# Altium PCB ReconProbe.PcbDoc (part 2 of 4) (continued)
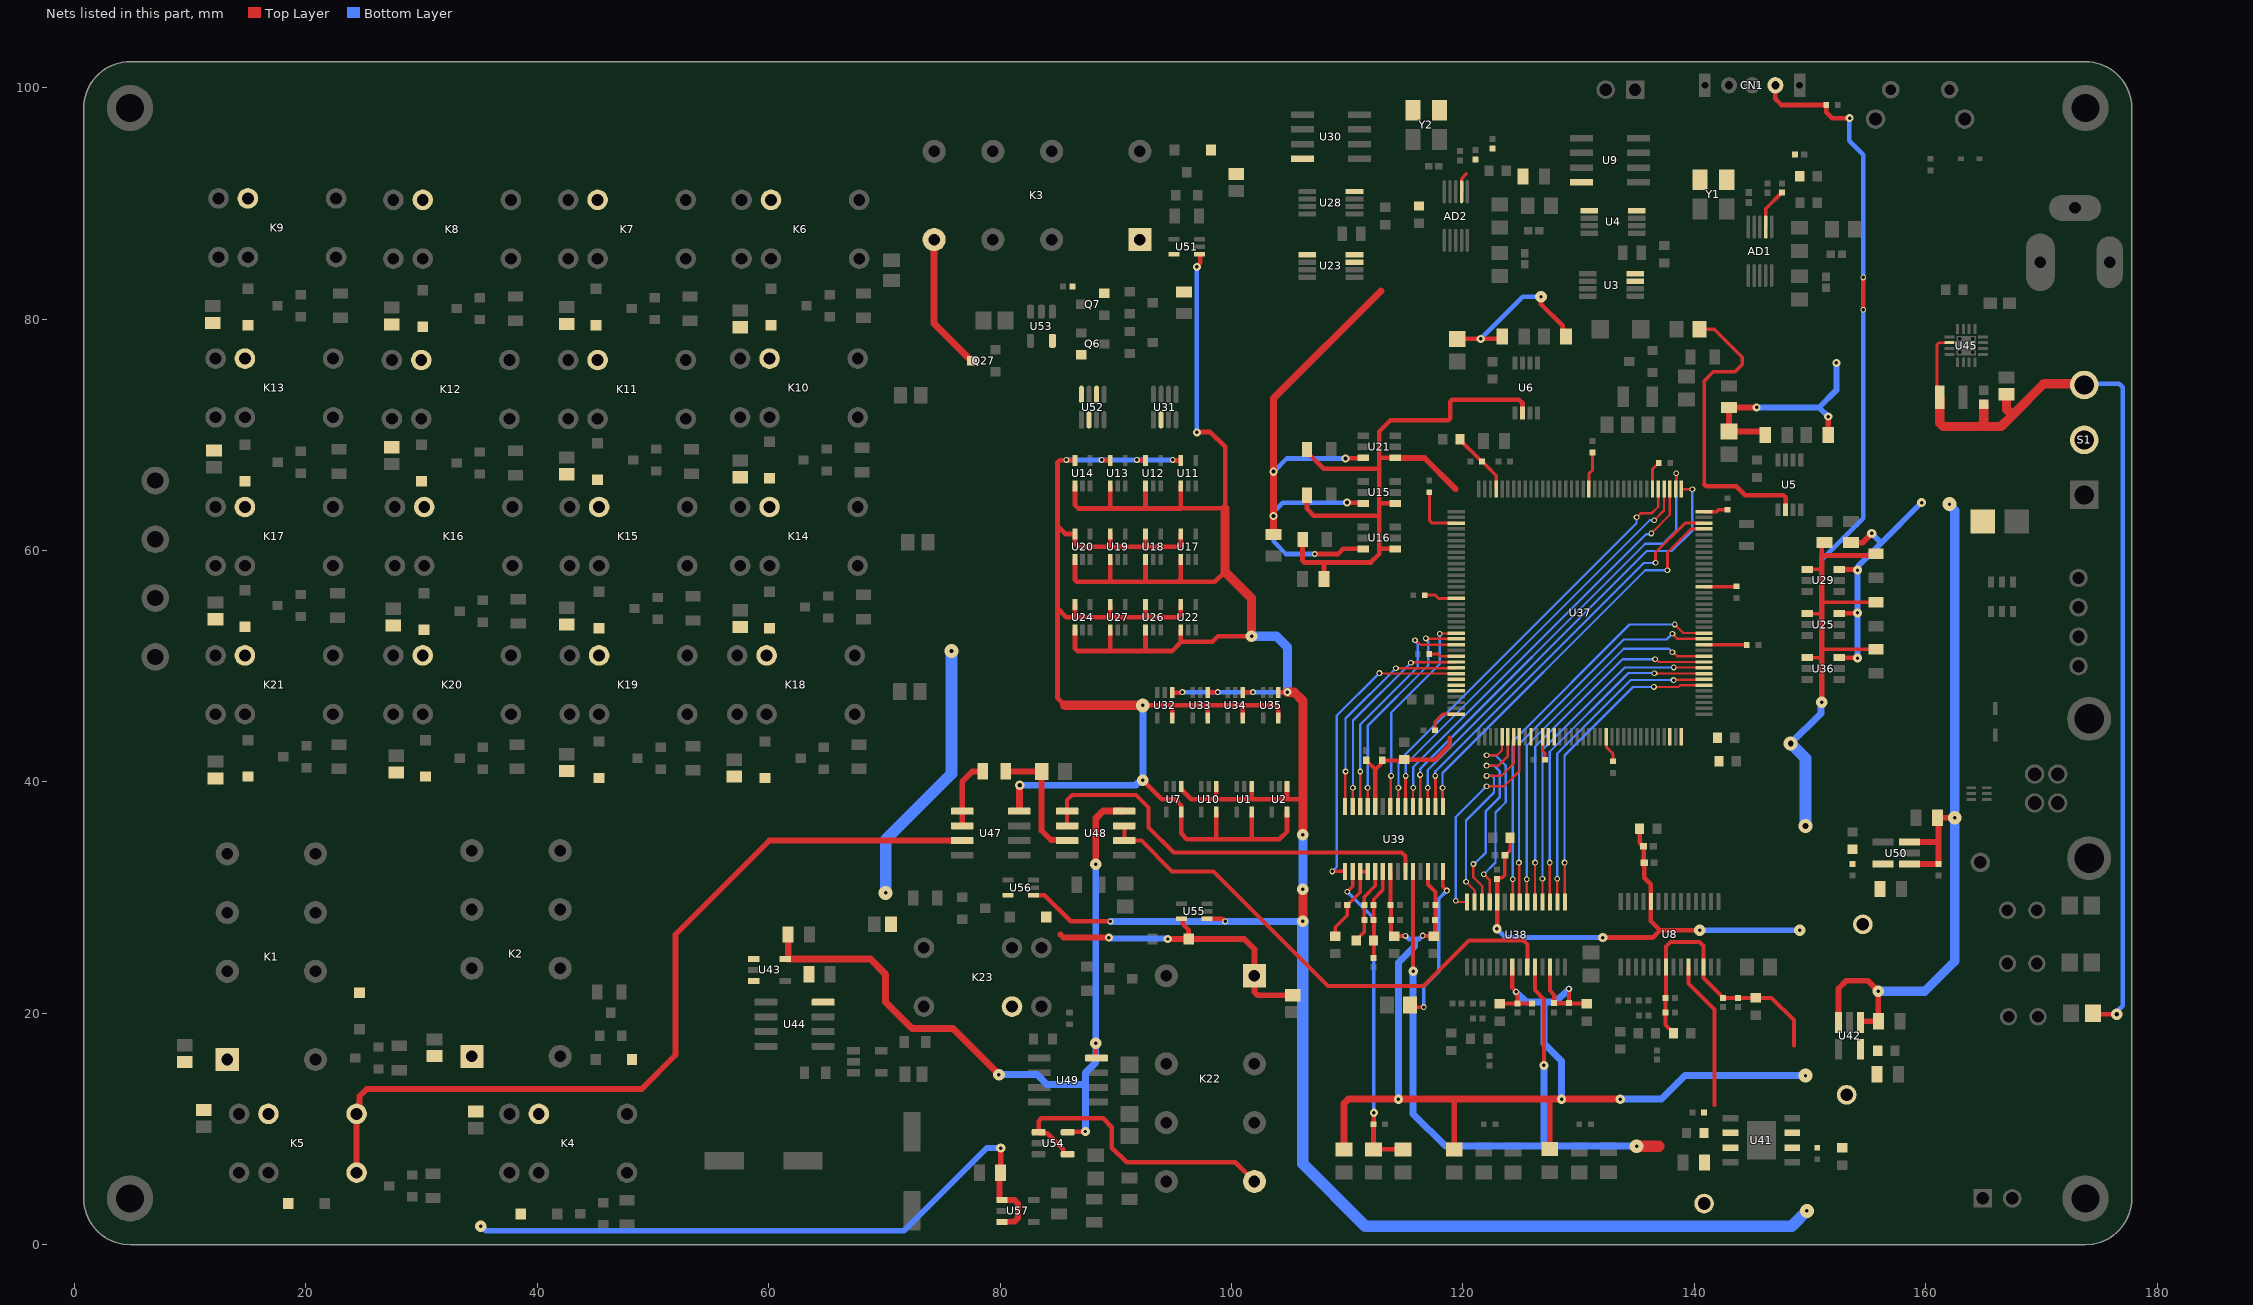
[diagram p4: the nets of this part, all layers, seen from the top]
## Part data (continued)
S1: "Slide Switch SPDT Through Hole, Right Angle", Package=None, Availability="In Stock", Check_prices=https://www.snapeda.com/parts/L102021ML04Q/C%2526K/view-part/?ref=eda, MF=C&K, MP=L102021ML04Q, Price=None, Purchase-URL=https://pricing.snapeda.com/search/part/L102021ML04Q/?ref=eda, SnapEDA_Link=https://www.snapeda.com/parts/L102021ML04Q/C%2526K/view-part/?ref=snap
SW1: library part TAC_PB_TL6110DF160QP, "https://www.digikey.ca/en/products/detail/e-switch/TL6110DF160QP/1137150"
U3 U23: Mfr_Name=Microchip, RefDes=RefDes, Type=Type
U4 U28: "No Description Available", Mfr_Name=Microchip, RefDes=RefDes, Type=Type
U5 U6: "No Description Available", Mfr_Name=NXP, RefDes=RefDes, Type=Type
U8 U38 U39: "No Description Available", Mfr_Name="Analog Devices Inc", RefDes=RefDes, Type=Type
U9 U30 U42 U43 U57: "No Description Available", Mfr_Name="Texas Instruments", RefDes=RefDes
  U9 U30 U43 U57: Type=Type
  U42: Type=TYPE
U15 U16 U21 U25 U29 U36: "No Description Available", Alternate_PartNumber=SN74LVC1T45DBVT, Manufacturer="Texas Instruments", CompType=IC, Mfr_Name="Texas Instruments", MountType=SMT, PackageReference=DBV0006A, PartNumber=SN74LVC1T45DBVR, RefDes=RefDes, RoHS=Y, Type=TYPE
U31 U52: library part CMP-09083-000040-1, "IC DGTL POT 100KOHM 256TAP SOT23", Case/Package=SOT-23, Frequency=400kHz, Max Operating Temperature=125°C, Max Supply Current=3uA, Max Supply Voltage=5.5V, Min Operating Temperature=-40°C, Min Supply Voltage=2.7V, Package Quantity=1, Resistance=100kR, Resistance Tolerance=30%, Temperature Coefficient=35ppm/°C, -3db Bandwidth=1.2MHz, Contact Plating=Gold, Interface=I2C, Lead Free="Contains Lead", Memory Type=Volatile, Mount="Surface Mount", Nominal Supply Current=3uA, Number of Circuits=1, Number of Elements=1, Number of Pins=8, Number of Positions=256, Number of Taps=256, Operating Supply Current=3uA, Operating Supply Voltage=5.5V, Packaging="Tape and Reel", Quiescent Current=3uA, Radiation Hardening=No, REACH SVHC="No SVHC", RoHS Compliant=Yes, Series=-, Supply Current=3uA, Taper=Linear, Tolerance=30%
U37: library part STM32U575ZI6T, "QPF_144 without SMPS"
U40: "No Description Available", Mfr_Name=STMicroelectronics, RefDes=RefDes, Type=Type
U41: "No Description Available", Mfr_Name=Semtech, RefDes=RefDes, Type=Type
U44: "100mA switched capacitor voltage converter", Package="SOIC-8 Texas Instruments", Availability="In Stock", Check_prices=https://www.snapeda.com/parts/LM2660MX/NOPB/Texas+Instruments/view-part/?ref=eda, MF="Texas Instruments", MP=LM2660MX/NOPB, Price=None, Purchase-URL=https://pricing.snapeda.com/search/part/LM2660MX/NOPB/?ref=eda, SnapEDA_Link=https://www.snapeda.com/parts/LM2660MX/NOPB/Texas+Instruments/view-part/?ref=snap
U45: "5V-Buck QFN", Mfr_Name="Texas Instruments", RefDes=RefDes, Type=Type
U46: "No Description Available", Manufacturer="Texas Instruments", PartNumber=TPS72301DBV, CompType=IC, Mfr_Name="Texas Instruments", MountType=SMT, PackageReference=DBV0005A, RefDes=RefDes, RoHS=Y, Type=TYPE
U47 U48 U49: "Dual, Precision, Zero-Crossover, 20MHz, 0.9pA Ib, RRIO, CMOS Operational Amplifier 8-SOIC -40 to 125", Package="SOIC-8 Texas Instruments", Availability=Good, Check_prices=https://www.snapeda.com/parts/OPA2320AIDR/Texas%20Instruments/view-part/1237025/?ref=eda, MF="Texas Instruments", MP=OPA2320AIDR, Price=None, Purchase-URL=https://pricing.snapeda.com/search/part/OPA2320AIDR/?ref=eda, SnapEDA_Link=https://www.snapeda.com/parts/OPA2320AIDR/Texas%20Instruments/view-part/1237025/?ref=snap
U50: "3.3V Regulator", Mfr_Name="Texas Instruments", RefDes=RefDes, Type=TYPE
U53 U54: "Precision, zero-crossover, 20-MHz, 0.9-pA Ib, RRIO, CMOS operational amplifier", Package="SOT-23-5 Texas Instruments", Availability="In Stock", Check_prices=https://www.snapeda.com/parts/OPA320AIDBVR/Texas+Instruments/view-part/?ref=eda, MF="Texas Instruments", MP=OPA320AIDBVR, Price=None, Purchase-URL=https://pricing.snapeda.com/search/part/OPA320AIDBVR/?ref=eda, SnapEDA_Link=https://www.snapeda.com/parts/OPA320AIDBVR/Texas+Instruments/view-part/?ref=snap
Y1 Y2: Frequency=25MHz
Y3: Frequency=32.768kHz

## Free pads (board coordinates)
  round 4 hole 2.4: 4(4.8,4) 4(4.8,98.235) 4(173.8,4) 4(173.8,98.235)
  round 2.4 hole 1.4: 5(6.985,50.8) 5(6.985,55.88) 5(6.985,60.96) 5(6.985,66.04)

## Via types
v1: diameter 0.5, hole 0.3, Top Layer to Bottom Layer, 283 vias
v2: diameter 0.7, hole 0.3, Top Layer to Bottom Layer, 155 vias
v3: diameter 0.7, hole 0.35, Top Layer to Bottom Layer, 85 vias
v4: diameter 1, hole 0.3, Top Layer to Bottom Layer, 24 vias
v5: diameter 0.8, hole 0.3, Top Layer to Bottom Layer, 16 vias
v6: diameter 1.2, hole 0.3, Top Layer to Bottom Layer, 7 vias
v7: diameter 0.8, hole 0.4, Top Layer to Bottom Layer, 4 vias
v8: diameter 1, hole 0.35, Top Layer to Bottom Layer, 4 vias
v9: diameter 1, hole 0.4, Top Layer to Bottom Layer, 4 vias
v10: diameter 1.2, hole 0.5, Top Layer to Bottom Layer, 2 vias
v11: diameter 1.5, hole 0.6, Top Layer to Bottom Layer, 2 vias
v12: diameter 1.2, hole 0.35, Top Layer to Bottom Layer, 1 vias
v13: diameter 1.2, hole 0.4, Top Layer to Bottom Layer, 1 vias
v14: diameter 0.8, hole 0.35, Top Layer to Bottom Layer, 1 vias

## Nets (pads, with @x,y where several pads share a name; then routed paths per layer and width w, separated by ;. In a path a pad name is that pad's centre, name@x,y a point inside that pad or via, vN(x,y) a via of type N, cw(c..) or ccw(c..) an arc to the next point about the centre after c; other vN are vias at no path point)
0V5: 0V5.1 C67.2 C68.1 C69.2 U8.10 U38.10 U39.10 U41.6 U41.7 | length 71.9
  Top Layer w0.35: v5@115.671,23.648 U39.10@115.671,32.233 ; U38.10@126.212,23.978 126.212,21.997 127,21.209 v5(127,15.494) ; U8.10@139.491,24.003 139.491,22.561 141.732,20.32 141.732,12.065
  Top Layer w1: v6(135.001,8.509) 136.906,8.509
  Bottom Layer w0.6: v5(115.697,23.622) 115.697,11.303 118.491,8.509 127,8.509 ; v5(127,15.494) 127,8.509 ; v6(135.001,8.509) 127,8.509
2V5: C88.2 U43.5 U48.8 U49.8 U54.5 | length 66.9
  Top Layer w0.4: U54.5@85.837,9.713 85.87,9.746 87.343,9.746 v5(87.376,9.779) ; v4(88.265,17.399) 88.265,16.186 U49.8@88.322,16.129
  Top Layer w0.6: C88.2@61.686,26.797 61.686,24.784 61.595,24.693 68.779,24.693 70.104,23.368 70.104,20.955 72.39,18.669 75.931,18.669 v4(79.9,14.7) ; v4(88.265,32.893) 88.265,36.83 88.9,37.465 U48.8@90.735,37.465
  Bottom Layer w0.6: v4(79.9,14.7) 83.2,14.7 84.057,13.843 87.122,13.843 87.376,13.589 ; v5(87.376,9.779) 87.376,13.589 ; v4(88.265,32.893) v4(88.265,17.399) 88.265,15.748 87.376,14.859 87.376,13.843 87.376,13.589
3V0: 3V0.1 C26.1 C29.1 C31.1 C32.1 C33.1 C34.1 C35.1 C37.1 C38.1 C39.1 C44.1 C45.1 C81.2 C93.2 C131.1 C132.1 C133.1 C136.1 C137.1 C138.1 R20.2 R28.2 R74.2 U8.7 U8.12 U38.7 U38.12 U39.7 U39.12 U42.5 | length 136.1
  Top Layer w0.35: U39.7@113.721,32.233 113.721,29.37 C29.1@113.754,29.337 ; C29.1@113.773,29.318 C26.1@113.773,28.067 113.773,27.035 114.023,26.785 C31.1@114.046,26.785 ; C31.1@114.046,26.658 114.996,26.658 v1(115.026,26.687) ; v1(116.521,26.715) 116.575,26.715 116.62,26.67 C37.1@117.475,26.67 ; U39.12@116.971,32.233 116.971,31.111 117.621,30.461 C33.1@117.621,29.337 117.611,29.328 117.611,28.076 C32.1@117.602,28.067 117.602,27.035 C37.1@117.529,26.962 ; C34.1@123.19,20.816 123.205,20.832 124.699,20.832 C45.1@124.714,20.847 ; U38.7@124.262,23.978 124.262,22.169 v1(124.587,21.844) ; v1@124.587,21.79 124.714,21.663 C45.1@124.714,20.847 ; C44.1@125.984,20.847 C45.1@124.714,20.847 ; U38.12@127.512,23.978 127.512,21.967 127.889,21.59 C38.1@127.889,20.866 C39.1@129.159,20.866 ; v1(129.159,22.098) C39.1@129.159,20.866 ; C35.1@130.683,20.816 130.658,20.841 129.184,20.841 C39.1@129.159,20.866 ; C131.1@137.522,21.336 C132.1@137.522,20.066 137.522,19.004 138.188,18.338 C133.1@138.188,18.288 ; C131.1@137.541,21.482 U8.7@137.541,24.003 137.541,25.781 137.922,26.162 140.462,26.162 140.791,25.833 U8.12@140.791,24.003 140.791,23.039 142.384,21.446 C136.1@142.494,21.336 C137.1@143.764,21.336 C138.1@145.288,21.336 146.685,21.336 148.6,19.421 148.6,17.219
  Top Layer w0.5: R28.2@119.253,8.239 119.253,12.573 ; R74.2@127.508,8.255 127.508,12.573
  Top Layer w0.6: R20.2@109.728,8.223 109.728,12.192 110.109,12.573 v5(114.427,12.573) 119.253,12.573 127.508,12.573 v5(128.524,12.573) v5(133.604,12.573)
  Bottom Layer w0.4: v1(115.026,26.687) 115.045,26.687 115.316,26.416 115.824,26.416 ; 115.753,26.345 115.824,26.416 ; v1(116.521,26.715) 116.504,26.715 116.205,26.416 115.824,26.416
  Bottom Layer w0.6: v5(114.427,12.573) 114.427,24.384 115.824,25.781 115.824,26.275 115.753,26.345 ; v1(124.587,21.844) 125.476,20.955 127,20.955 ; v5(128.524,12.573) 128.524,15.875 127,17.399 127,20.955 ; v1(129.159,22.098) 128.016,20.955 127,20.955 ; v5(133.604,12.573) 137.16,12.573 139.192,14.605 v6(149.606,14.605)
3V3: 3V3.1 C36.1 C46.1 C49.1 C52.1 C53.1 C54.1 C55.1 C56.2 C57.1 C58.1 C59.1 C60.1 C61.1 C62.1 C63.1 C64.1 C65.1 C66.1 C70.2 C72.1 C73.1 C74.1 C75.1 C77.1 C94.2 C95.1 C96.2 C122.2 C123.2 C135.1 C139.1 C140.1 CN1.1 R10.1 R12.1 R13.1 R14.1 R17.1 R19.1 R24.2 U1.1 U2.1 U5.2 U6.2 U7.1 U8.24 U10.1 U11.1 U12.1 U13.1 U14.1 U15.1 U16.1 U17.1 U18.1 U19.1 U20.1 U21.1 U22.1 U24.1 U25.1 U26.1 U27.1 U29.1 U32.1 U33.1 U34.1 U35.1 U36.1 U37.6 U37.17 U37.33 U37.39 U37.52 U37.62 U37.72 U37.84 U37.95 U37.106 U37.108 U37.121 U37.131 U37.144 U38.24 U39.24 U41.2 U41.3 U50.5 U51.1 U55.1 U56.1 | length 536.4
  Top Layer w0.254: v1@95.715,47.709 v1(95.758,47.752) ; U51.1@97.239,85.583 U51.1@97.282,85.54 ; U33.1@97.932,47.709 U33.1@97.975,47.752 ; U34.1@100.98,47.709 U34.1@101.023,47.752 ; U35.1@104.028,47.709 U35.1@104.071,47.752 ; 106.172,41.91 106.22,41.862 ; C64.1@116.697,56.134 117.602,56.134 117.88,55.856 U37.52@119.432,55.856 ; C77.1@117.086,51.054 117.856,51.054 118.054,50.856 U37.62@119.432,50.856 ; C60.1@117.094,65.032 117.094,62.611 117.349,62.356 U37.39@119.432,62.356 ; C63.1@117.594,44.45 117.594,45.204 118.246,45.856 U37.72@119.432,45.856 ; U37.84@126.878,43.901 U37.84@126.882,43.906 126.882,42.695 127.1,42.477 C62.1@127.1,41.9 C62.1@127.105,41.895 ; U37.17@130.882,65.306 130.882,66.62 131.191,66.929 C66.1@131.191,68.461 ; U37.95@132.382,43.906 132.396,43.892 132.396,42.991 132.969,42.418 C59.1@132.969,41.775 ; U37.6@136.382,65.306 136.382,67.032 C65.1@136.914,67.564
  Top Layer w0.3: C70.2@119.749,69.596 119.749,69.546 121.481,67.814 121.535,67.814 C74.1@121.658,67.691 122.139,67.21 122.882,66.467 U37.33@122.882,65.306 ; C36.1@123.03,31.698 123.392,31.698 123.619,31.925 C49.1@123.619,33.655 ; C49.1@123.64,33.655 124.079,34.094 C46.1@124.079,34.913 ; R24.2@140.446,79.121 141.732,79.121 144.145,76.708 144.145,76.073 143.51,75.438 141.638,75.438 140.843,74.643 140.843,65.722 ; U37.121@140.757,51.856 144.494,51.856 C72.1@144.534,51.816 ; U37.131@140.832,56.856 143.597,56.856 C61.1@143.637,56.896 ; U37.144@140.832,63.356 141.932,63.356 142.084,63.508 C58.1@142.875,63.508 C58.1@142.92,63.508 ; U36.1@149.755,50.734 151.003,50.734 ; U25.1@149.755,54.544 150.942,54.544 151.003,54.483 ; U29.1@149.755,58.354 150.937,58.354 151.003,58.42 ; 151.003,51.435 151.037,51.469 R19.1@155.702,51.469 ; 151.003,55.562 151.032,55.533 R14.1@155.702,55.533
  Top Layer w0.35: C54.1@111.633,41.862 111.633,41.841 112.421,41.053 ; U39.24@112.421,37.871 112.421,41.053 ; C52.1@114.935,41.922 114.875,41.862 C53.1@113.03,41.862 112.919,41.751 112.919,41.551 112.421,41.053
  Top Layer w0.4: U56.1@82.888,30.211 83.835,30.211 86.106,27.94 v1(89.535,27.94) ; U24.1@86.472,53.129 86.472,51.498 86.662,51.308 89.52,51.308 ; U20.1@86.472,59.225 86.472,57.425 86.62,57.277 89.535,57.277 ; U14.1@86.472,65.575 86.472,63.896 86.741,63.627 89.55,63.627 ; U27.1@89.52,53.129 89.52,51.308 ; U19.1@89.52,59.225 89.52,57.292 89.535,57.277 ; U13.1@89.52,65.575 89.52,63.657 89.55,63.627 ; U26.1@92.568,53.129 92.568,51.308 ; U18.1@92.568,59.225 92.568,57.389 92.456,57.277 ; U12.1@92.568,65.575 92.568,63.642 92.583,63.627 ; U32.1@94.884,47.709 v1@95.715,47.709 ; U22.1@95.616,53.129 95.616,52.101 ; U17.1@95.616,59.225 95.616,57.516 95.377,57.277 ; 95.616,63.627 92.583,63.627 ; U11.1@95.616,65.575 95.616,63.642 99.426,63.642 99.441,63.627 99.441,68.961 98.171,70.231 97.031,70.231 v2(97,70.2) ; U7.1@95.646,39.581 95.646,39.306 95.695,39.306 96.52,38.481 98.806,38.481 ; v2(97,84.5) 97,84.581 97.282,84.863 U51.1@97.282,85.583 ; U55.1@97.874,28.179 99.202,28.179 v1(99.441,27.94) ; U33.1@97.975,47.752 v1(98.806,47.752) ; U10.1@98.694,39.581 98.694,38.593 98.806,38.481 ; 99.441,58.166 98.552,57.277 95.377,57.277 ; U34.1@101.023,47.752 v1(101.854,47.752) ; v4(101.727,52.578) 98.829,52.578 98.352,52.101 95.616,52.101 ; U1.1@101.742,39.581 101.742,38.496 101.727,38.481 ; U35.1@104.071,47.752 v2(104.832,47.752) ; U2.1@104.79,39.581 104.79,38.629 104.642,38.481 ; R12.1@106.138,60.96 106.138,59.11 106.286,58.962 108.077,58.962 ; 106.172,38.481 104.642,38.481 ; R10.1@106.519,64.77 106.519,63.593 107.12,62.992 112.776,62.992 ; R13.1@106.519,68.707 106.519,68.507 107.97,67.056 112.649,67.056 112.776,66.929 ; C122.2@107.986,57.531 107.986,58.871 108.077,58.962 ; U16.1@114.151,60.137 112.776,60.137 ; U15.1@114.151,64.074 112.778,64.074 112.776,64.072 ; U21.1@114.184,67.978 U21.1@114.151,68.011 112.776,68.011 ; C52.1@114.935,41.922 117.614,41.922 118.872,43.18 118.872,43.815 ; v5(122.936,27.305) 122.949,27.318 122.949,31.591 C36.1@122.936,31.604 ; C49.1@123.619,33.655 C49.1@123.64,33.655 ; C46.1@124.067,34.925 C46.1@124.079,34.913 ; U6.2@125.151,71.895 125.151,72.715 124.841,73.025 119.076,73.025 118.9,72.849 118.9,71.412 118.724,71.237 113.737,71.237 112.776,70.276 112.776,68.011 ; v5(132.08,26.543) 136.398,26.543 137.033,27.178 ; C135.1@135.267,35.941 135.267,34.738 135.408,34.598 135.408,34.576 135.567,34.417 C139.1@135.588,34.417 135.628,34.377 135.628,33.06 C140.1@135.668,33.02 135.668,31.718 136.241,31.145 U8.24@136.241,29.642 136.241,27.97 137.033,27.178 ; v4(140.462,27.178) 137.033,27.178 ; 140.843,65.722 141.033,65.532 143.637,65.532 144.399,64.77 147.701,64.77 147.884,64.587 U5.2@147.884,63.513 ; CN1.1@147.002,100.203 147.002,99.032 147.534,98.5 C73.1@151.35,98.5 ; C123.2@151.257,60.67 151.003,60.416 151.003,59.563 155.541,59.563 R17.1@155.702,59.724 ; C73.1@151.4,98.5 151.4,97.857 151.9,97.357 v2(153.424,97.357) ; v1(154.6,80.8) v1(154.6,83.6) ; 89.52,51.308 92.568,51.308 ; 89.535,57.277 92.456,57.277 ; 89.55,63.627 92.583,63.627 ; 92.456,57.277 95.377,57.277 ; 92.568,51.308 94.869,51.308 95.616,52.055 95.616,52.101 ; 98.806,38.481 101.727,38.481 ; 101.727,38.481 104.642,38.481 ; 108.077,58.962 112.048,58.962 112.776,59.69 112.776,60.137 ; 112.776,60.137 112.776,62.992 ; 112.776,62.992 112.776,64.072 ; 112.776,64.072 112.776,66.929 ; 112.776,66.929 112.776,68.011
  Top Layer w0.5: U21.1@114.184,67.978 116.68,67.978 119.38,65.278 ; v4(151.003,46.863) 151.003,51.435 151.003,54.483 151.003,55.562 151.003,58.42 151.003,59.563
  Top Layer w0.8: 99.441,63.627 99.441,58.166 101.727,55.88 v4(101.727,52.578) ; v2(104.832,47.752) 105.41,47.752 106.172,46.99 106.172,41.91 106.172,38.481 v4(106.172,35.433) ; v4(106.172,27.94) v4(106.172,30.734)
  Bottom Layer w0.4: v1(95.758,47.752) v1(98.806,47.752) v1(101.854,47.752) v2(104.832,47.752) ; v2(97,70.2) v2(97,84.5) ; v5(122.936,27.305) 123.698,26.543 v5(132.08,26.543) ; v4(151.003,46.863) 151.003,59.182 154.6,62.779 v1(154.6,80.8) ; v2@153.4,97.38 153.405,97.375 153.405,97.267 153.4,97.262 153.4,95.393 154.6,94.193 v1(154.6,83.6)
  Bottom Layer w0.5: v4(140.462,27.178) v4(149.098,27.178)
  Bottom Layer w0.6: v1(89.535,27.94) v1(99.441,27.94) v4(106.172,27.94) ; v10(148.325,43.307) 150.926,45.908 150.926,46.786 v4(151.003,46.863)
  Bottom Layer w0.8: v4(101.727,52.578) 103.886,52.578 104.832,51.632 v2(104.832,47.752) ; v4(106.172,30.734) v4(106.172,35.433)
  Bottom Layer w1: v4(106.172,27.94) 106.172,6.985 111.557,1.6 148.412,1.6 v6(149.733,2.921) ; v10(148.325,43.307) 149.606,42.026 v10(149.606,36.195)
5V: AD1.2 AD2.2 C1.1 C2.1 C3.1 C9.1 C10.1 C11.1 C13.2 C14.1 C18.1 C19.1 C71.2 C84.2 C89.2 C97.2 C98.1 C99.2 C100.2 C101.2 C102.2 C103.2 C104.2 C105.2 C106.2 C107.2 C108.2 C109.2 C110.2 C111.2 C112.2 C113.2 C114.2 C115.2 C116.2 C117.2 C119.2 C124.2 C125.2 C141.2 C143.2 C147.2 D1.2 D2.2 D4.2 D5.2 D6.2 D7.2 D8.2 D9.2 D10.2 D11.2 D12.2 D13.2 D14.2 D15.2 D16.2 D17.2 D18.2 D19.2 D20.2 D21.2 D24.2 D25.2 D26.2 D27.1 K1.8 K2.8 K3.8 K4.5 K5.5 K6.5 K7.5 K8.5 K9.5 K10.5 K11.5 K12.5 K13.5 K14.5 K15.5 K16.5 K17.5 K18.5 K19.5 K20.5 K21.5 K22.8 K23.5 Q6.2 Q7.2 R1.1 R2.1 R3.1 R4.1 R5.1 R6.1 S1.2 U1.5 U2.5 U3.7 U3.8 U4.1 U4.8 U7.5 U9.8 U10.5 U11.5 U12.5 U13.5 U14.5 U15.6 U16.6 U17.5 U18.5 U19.5 U20.5 U21.6 U22.5 U23.1 U23.7 U23.8 U24.5 U25.6 U26.5 U27.5 U28.8 U29.6 U30.8 U31.2 U32.5 U33.5 U34.5 U35.5 U36.6 U42.1 U42.3 U43.1 U43.3 U44.8 U47.8 U50.1 U50.3 U51.5 U52.2 U52.6 U52.8 U53.5 U55.5 U56.5 U57.1 U57.3 Y1.1 Y1.4 Y2.1 Y2.4 | length 422.6
  Top Layer w0.3: v7@81.661,39.665 v7(81.7,39.704) ; v3(109.855,67.945) v3@109.888,67.978 ; v3(109.982,64.135) v3@110.013,64.104 ; U21.6@111.368,67.978 U21.6@111.401,68.011 ; U15.6@111.371,64.104 U15.6@111.401,64.074 ; AD2.2@119.88,91 119.88,92.138 120.3,92.558 ; AD1.2@146.169,87.952 146.169,89.527 C10.1@147.574,90.932
  Top Layer w0.4: 85.591,46.609 84.963,47.237 84.963,54.991 ; U24.5@86.472,55.329 86.472,54.39 86.633,54.229 ; U14.5@86.472,67.775 86.472,67.799 85.744,67.799 v1(85.725,67.818) 85.706,67.799 85.153,67.799 84.963,67.608 84.963,62.103 ; v1(88.773,67.818) 88.792,67.799 89.52,67.799 U13.5@89.52,67.775 ; U27.5@89.52,55.329 89.52,54.244 89.535,54.229 ; U19.5@89.52,61.425 89.52,60.437 89.408,60.325 ; v1(91.821,67.818) 91.84,67.799 92.568,67.799 U12.5@92.568,67.775 ; v4(92.329,40.132) 93.98,38.481 95.119,38.481 95.646,37.954 U7.5@95.646,37.381 95.646,35.545 96.139,35.052 98.679,35.052 ; v6(92.329,46.609) 95.045,46.609 ; U26.5@92.568,55.329 92.568,54.351 92.445,54.229 ; U18.5@92.568,61.425 92.568,60.34 92.583,60.325 ; U32.5@94.884,45.509 94.884,46.448 95.045,46.609 ; v1(94.912,67.818) 94.939,67.818 94.982,67.775 U11.5@95.616,67.775 ; U22.5@95.616,55.329 95.616,54.489 95.356,54.229 92.445,54.229 ; U17.5@95.616,61.425 95.616,60.486 95.455,60.325 92.583,60.325 ; U55.5@95.674,28.179 95.781,28.179 95.781,27.719 96.283,27.217 D25.2@96.283,26.416 ; U33.5@97.932,45.509 97.932,46.467 97.79,46.609 ; U10.5@98.694,37.381 98.694,35.067 98.679,35.052 ; U34.5@100.98,45.509 100.98,46.457 100.828,46.609 ; U1.5@101.742,37.381 101.742,35.067 101.727,35.052 ; U35.5@104.028,45.509 104.028,46.448 103.867,46.609 100.828,46.609 ; U2.5@104.79,37.381 104.79,35.702 104.14,35.052 101.727,35.052 ; v1(107.188,59.69) 109.22,59.69 109.667,60.137 U16.6@111.401,60.137 ; v3@109.888,67.978 U21.6@111.368,67.978 ; v3@110.013,64.104 U15.6@111.371,64.104 ; R2.1@119.507,78.279 v2(121.539,78.279) 123.175,78.279 R5.1@123.382,78.486 ; v4(126.746,81.915) 126.746,81.28 128.624,79.402 128.624,78.764 R6.1@128.902,78.486 ; U36.6@152.505,50.734 152.522,50.717 154.083,50.717 v5(154.1,50.7) ; U25.6@152.505,54.544 152.533,54.572 154.072,54.572 v5(154.1,54.6) ; U29.6@152.505,58.354 154.046,58.354 v5(154.1,58.3) ; 84.963,54.991 85.725,54.229 86.633,54.229 ; 84.963,54.991 84.963,62.103 ; 84.963,62.103 85.641,61.425 U20.5@86.472,61.425 86.472,60.594 86.741,60.325 89.408,60.325 ; 86.633,54.229 89.535,54.229 ; 89.408,60.325 92.583,60.325 ; 89.535,54.229 92.445,54.229 ; 95.045,46.609 97.79,46.609 ; 97.79,46.609 100.828,46.609 ; 98.679,35.052 101.727,35.052
  Top Layer w0.5: v5(80.046,8.346) C147.2@80.046,6.223 79.939,6.116 79.939,3.862 U57.1@80.16,3.862 ; U57.3@80.169,1.971 81.219,1.971 81.534,2.286 81.534,3.556 81.219,3.871 U57.1@80.169,3.871 ; 85.217,26.797 85.471,26.543 v2(89.408,26.543) ; v2(94.488,26.416) D25.2@96.283,26.416 ; D25.2@96.317,26.416 101.092,26.416 101.981,25.527 K22.8@101.981,23.241 101.981,21.844 102.271,21.554 C143.2@105.283,21.554 ; v2(145.381,72.356) 145.379,72.354 C1.1@143.002,72.354 R1.1@143.002,70.278 145.862,70.278 146.115,70.024 R3.1@146.115,69.977 ; R4.1@151.573,69.977 v2(151.573,71.566) ; U42.3@152.466,19.184 152.466,22.134 153.132,22.8 155,22.8 v4(155.9,21.9) C71.2@155.9,19.324 ; C124.2@153.543,60.67 154.523,60.67 v5(155.321,61.468) ; U42.1@154.366,19.184 154.366,19.248 154.422,19.304 C71.2@155.92,19.304 ; U50.1@158.608,32.893 C98.1@161,32.893 ; U50.3@158.608,34.793 158.615,34.8 161.1,34.8 ; C98.1@161.1,32.9 161.1,34.8 ; v6(162.5,36.9) C97.2@161.025,36.9 161.1,36.825 161.1,34.8
  Top Layer w0.6: U47.8@81.661,37.465 v7@81.661,39.665 ; C125.2@103.632,61.377 v3(103.632,62.992) v3(103.632,66.802) 103.632,73.152 112.903,82.423
  Top Layer w0.8: 85.591,46.609 v6(92.329,46.609) ; C71.2@155.9,19.324 C71.2@155.92,19.304
  Bottom Layer w0.3: v4@92.14,40.132 v4(92.329,40.132) ; v6@162.052,63.954 v6(162.052,64.008)
  Bottom Layer w0.4: v1(85.725,67.818) v1(88.773,67.818) v1(91.821,67.818) v1(94.912,67.818) ; v3(103.632,66.802) 104.775,67.945 v3(109.855,67.945) ; v1(107.188,59.69) 104.71,59.69 103.632,60.768 v3(103.632,62.992) 103.689,63.049 103.689,63.389 104.435,64.135 v3(109.982,64.135) ; v2(121.539,78.279) 125.175,81.915 v4(126.746,81.915)
  Bottom Layer w0.5: v4(35.1,1.6) 35.17,1.6 35.57,1.2 71.7,1.2 78.846,8.346 v5(80.046,8.346) ; v2(89.408,26.543) 89.497,26.454 94.45,26.454 v2(94.488,26.416) ; v2(145.381,72.356) 150.783,72.356 ; v2(151.573,71.566) 150.783,72.356 ; v2(152.273,76.2) 152.273,73.846 150.783,72.356 ; v5(154.1,50.7) v5(154.1,54.6) v5(154.1,58.3) 154.157,58.357 154.157,58.653 156.147,60.642 ; v5(155.321,61.468) 156.147,60.642 ; v5(159.639,64.135) 156.147,60.642 ; v6@162.052,63.954 162.156,63.85 v6@162.259,63.747
  Bottom Layer w0.6: v7(81.7,39.704) 91.712,39.704 v4@92.14,40.132 ; v4(92.329,40.132) v6(92.329,46.609)
  Bottom Layer w0.8: v4(155.9,21.9) 159.9,21.9 162.5,24.5 v6(162.5,36.9) 162.5,63.452 162.129,63.823 v6@162.156,63.85
  Bottom Layer w1: v6(70.1,30.4) 70.1,35 75.8,40.7 v12(75.8,51.3)
5VBuck: C87.1 L1.1 R11.2 R82.2 S1.3 U45.14 | length 87
  Top Layer w0.25: L1.1@161.344,73.26 160.984,73.62 160.984,77.804 161.131,77.95 U45.14@162.025,77.95
  Top Layer w0.4: R82.2@174.389,20.061 R82.2@174.45,20 174.55,19.9 v9(176.5,19.9)
  Top Layer w0.8: L1.1@161.217,73.242 161.217,71.01 161.525,70.702 164.704,70.702 165.011,71.01 R11.2@165.011,72.641 ; 165.011,70.702 166.502,70.702 167.494,71.694 ; C87.1@166.984,73.504 166.984,72.204 167.494,71.694 ; S1.3@174.432,74.4 170.2,74.4 167.494,71.694
  Bottom Layer w0.4: S1.3@173.5,74.4 176.73,74.4 177.038,74.092 177.038,20.638 v9@176.3,19.9
AC_IOUT: K3.5 Q27.3 | length 12
  Top Layer w0.6: K3.5@74.295,86.868 74.295,79.605 77.4,76.5 77.458,76.5 Q27.3@77.658,76.3
ACOUT: K22.5 U54.1 U54.4 | length 26.5
  Top Layer w0.4: U54.4@85.837,7.813 85.557,7.813 85.462,7.908 85.462,8.238 84.057,9.643 83.397,9.643 U54.1@83.327,9.713 83.327,10.683 83.566,10.922 88.9,10.922 89.662,10.16 89.662,8.382 90.932,7.112 100.33,7.112 K22.5@101.981,5.461
ADC1_D0: U37.141 U39.15 | length 35.2
  Top Layer w0.254: U39.15@118.237,37.752 v1(118.237,39.497) ; v1(137.668,58.293) 137.668,59.817 139.704,61.853 140.754,61.853 U37.141@140.757,61.856
  Bottom Layer w0.2: v1(118.237,39.497) 118.237,40.767 135.763,58.293 v1(137.668,58.293)
ADC1_D1: U37.142 U39.16 | length 36.1
  Top Layer w0.254: v1(117.602,40.513) 117.611,40.504 U39.16@117.611,37.332 ; v1(136.652,58.928) 136.652,59.817 139.191,62.356 U37.142@140.757,62.356
  Bottom Layer w0.2: v1(117.602,40.513) 117.611,40.522 117.611,40.903 135.627,58.919 136.643,58.919 v1(136.652,58.928)
ADC1_D2: U37.1 U39.17 | length 39.6
  Top Layer w0.2: U39.17@116.967,37.391 116.969,37.393 116.969,39.495 v1(116.967,39.497) ; U37.1@138.882,65.231 138.929,65.278 v1(139.827,65.278)
  Bottom Layer w0.2: v1(116.967,39.497) 116.967,41.021 135.89,59.944 138.049,59.944 139.827,61.722 v1(139.827,65.278)
ADC1_D3: U37.2 U39.18 | length 41
  Top Layer w0.2: v1(116.3,40.6) 116.31,40.59 116.31,37.266 U39.18@116.326,37.25 ; U37.2@138.382,65.231 138.406,65.255 138.406,66.651 v1(138.43,66.675)
  Bottom Layer w0.2: v1(116.3,40.6) 116.3,41.116 135.763,60.579 137.287,60.579 138.43,61.722 v1(138.43,66.675)
ADC1_D4: U37.3 U39.19 | length 37.2
  Top Layer w0.2: U39.19@115.697,37.45 115.684,37.463 115.684,39.484 v1(115.697,39.497) ; v1(136.271,61.468) 137.882,63.079 U37.3@137.882,65.231
  Bottom Layer w0.2: v1(115.697,39.497) 115.697,41.275 135.833,61.411 136.214,61.411 v1(136.271,61.468)
ADC1_D5: U37.4 U39.20 | length 37.4
  Top Layer w0.2: v1(136.525,62.611) 136.537,62.611 137.382,63.456 U37.4@137.382,65.231
  Top Layer w0.254: U39.20@115.041,37.351 115.041,40.492 v1(115.062,40.513)
  Bottom Layer w0.2: v1(115.062,40.513) 115.062,41.529 136.135,62.602 136.516,62.602 v1(136.525,62.611)
ADC1_D6: U37.5 U39.21 | length 37.7
  Top Layer w0.2: U39.21@114.3,37.501 114.399,37.6 114.399,39.469 v1(114.427,39.497) ; v1(135.001,62.865) 135.003,62.865 135.338,63.2 136.3,63.2 136.882,63.782 U37.5@136.882,65.306
  Bottom Layer w0.2: v1(114.427,39.497) 114.427,41.783 135.001,62.357 v1(135.001,62.865)
ADC1_D7: U37.58 U39.22 | length 18.8
  Top Layer w0.2: U39.22@113.756,37.335 113.756,40.477 v1(113.792,40.513) ; v1(118,52.8) 118.028,52.828 119.479,52.828 U37.58@119.507,52.856
  Bottom Layer w0.2: v1(113.792,40.513) 113.792,45.974 118,50.182 v1(118,52.8)
ADC1_D8: U37.59 U39.25 | length 19.5
  Top Layer w0.2: v1(111.76,39.497) 111.765,39.492 111.765,37.877 U39.25@111.771,37.871 ; v1(116.8,52.4) 116.822,52.378 119.485,52.378 U37.59@119.507,52.356
  Bottom Layer w0.2: v1(111.76,39.497) 111.76,44.831 117,50.071 117,52.119 116.8,52.319 v1(116.8,52.4)
ADC1_D9: U37.60 U39.26 | length 20.2
  Top Layer w0.2: U39.26@111.125,37.885 111.123,37.887 111.123,40.892 v1(111.125,40.894) ; v1(115.856,52.236) 115.913,52.179 116.003,52.179 116.325,51.856 U37.60@119.432,51.856
  Bottom Layer w0.2: v1(111.125,40.894) 111.125,44.958 116.1,49.933 116.1,51.919 115.856,52.163 v1(115.856,52.236)
ADC1_D10: U37.63 U39.27 | length 19
  Top Layer w0.2: U39.27@110.481,37.398 110.481,39.488 v1(110.49,39.497) ; v1(115.5,50.3) 115.528,50.328 119.479,50.328 U37.63@119.507,50.356
  Bottom Layer w0.2: v1(110.49,39.497) 110.49,45.29 v1(115.5,50.3)
ADC1_D11: U37.64 U39.28 | length 19
  Top Layer w0.2: U39.28@109.838,37.908 109.838,40.877 v1(109.855,40.894) ; v1(114.209,49.82) 119.471,49.82 U37.64@119.507,49.856
  Bottom Layer w0.2: v1(109.855,40.894) 109.855,45.466 v1(114.209,49.82)
ADC1_D13: U37.66
ADC1_D14: U37.67
ADC1_D15: U37.68
ADC1_INPUT: U39.9 U48.1 U48.2 | length 36.2
  Top Layer w0.35: U48.2@85.795,36.195 U48.1@85.795,37.465 85.795,38.424 86.233,38.862 91.738,38.862 92.837,37.763 92.837,36.068 95.005,33.9 114.69,33.9 115.021,33.569 U39.9@115.021,32.233
ADC1_MODE: C28.1 R21.1 R22.2 U39.2 | length 27.7
  Top Layer w0.3: v1(110,30.5) 110.471,30.971 U39.2@110.471,32.233
  Top Layer w0.4: v2(112.3,11.4) 112.284,11.384 112.284,10.43 C28.1@112.268,10.414 R21.1@112.268,8.239 R22.2@114.808,8.239
  Bottom Layer w0.3: v1(110,30.5) 112.3,28.2 v2(112.3,11.4)
ADC1_OTR: U37.65 U39.1 | length 26.7
  Top Layer w0.2: v1(112.776,49.403) 112.823,49.356 U37.65@119.507,49.356
  Top Layer w0.3: v1(108.712,32.258) 109.793,32.258 U39.1@109.819,32.233
  Bottom Layer w0.2: v1(108.712,32.258) 109.1,32.646 109.1,45.727 v1(112.776,49.403)
ADC1_PDWN: R31.2 U39.14 | length 13.9
  Top Layer w0.3: R31.2@115.427,20.701 115.6,20.528 v1(116.616,20.528) ; U39.14@118.271,32.233 118.271,30.954 v1(118.618,30.607)
  Bottom Layer w0.3: v1(116.616,20.528) 116.616,22.316 117.9,23.6 117.9,29.889 v1(118.618,30.607)
ADC1_PRESCALE: R27.2 U47.1 U47.2 | length 6
  Top Layer w0.5: U47.2@76.721,36.195 U47.1@76.721,37.465 76.721,40.031 77.59,40.9 R27.2@78.5,40.9
ADC1_REFB: C22.1 C23.1 C24.1 U39.5 | length 6.6
  Top Layer w0.3: C22.1@110.768,26.289 110.768,26.339 111.487,27.058 C24.1@111.487,28.067 C23.1@111.487,29.337 111.487,30.08 112.421,31.014 U39.5@112.421,32.233
ADC1_REFT: C22.2 C23.2 C24.2 C30.1 U39.6 | length 7.7
  Top Layer w0.3: C30.1@112.268,24.911 C22.2@112.268,26.289 112.287,26.308 C24.2@112.287,28.067 C23.2@112.287,29.337 112.287,29.864 113.071,30.648 U39.6@113.071,32.233
ADC1_SCALE: R27.1 R34.2 U48.3 | length 10.8
  Top Layer w0.5: R27.1@80.5,40.9 R34.2@83.582,40.9 ; R34.2@83.6,40.9 R34.2@83.582,40.9 ; U48.3@85.795,34.925 85.745,34.975 84.405,34.975 83.582,35.798 R34.2@83.582,40.9
ADC1_SENSE: C21.1 C25.1 U39.3 U39.4 | length 7.1
  Top Layer w0.3: C25.1@108.966,26.658 108.966,27.432 110.001,28.467 C21.1@110.001,29.337 111.121,30.457 U39.3@111.121,32.233 U39.4@111.771,32.233
ADC1_VIN+: K5.3 K5.4 U47.3 | length 74.1
  Top Layer w0.5: K5.3@24.384,6.223 K5.4@24.384,11.303 24.629,11.548 24.629,12.829 25.262,13.462 49.022,13.462 51.943,16.383 51.943,26.797 60.071,34.925 U47.3@76.721,34.925
ADC2_D0: U37.114 U38.15 | length 27.2
  Top Layer w0.2: v1(128.778,33.02) 128.795,33.003 128.795,29.633 U38.15@128.812,29.616 ; v1(136.5,48.2) 138.6,48.2 138.756,48.356 U37.114@140.832,48.356
  Bottom Layer w0.2: v1(128.778,33.02) 128.778,42.278 134.7,48.2 v1(136.5,48.2)
ADC2_D1: U37.115 U38.16 | length 28.1
  Top Layer w0.2: v1(128.143,31.623) 128.152,31.614 128.152,29.626 U38.16@128.162,29.616 ; v1(138.2,48.8) 138.228,48.828 140.729,48.828 U37.115@140.757,48.856
  Bottom Layer w0.2: v1(128.143,31.623) 128.143,42.443 134.5,48.8 v1(138.2,48.8)
ADC2_D2: U37.116 U38.17 | length 29.1
  Top Layer w0.2: v1(127.508,33.02) 127.51,33.018 127.51,29.618 U38.17@127.512,29.616 ; v1(136.549,49.379) 136.572,49.356 U37.116@140.757,49.356
  Bottom Layer w0.2: v1(127.508,33.02) 127.508,42.608 134.303,49.403 136.525,49.403 v1(136.549,49.379)
ADC2_D3: U37.117 U38.18 | length 30
  Top Layer w0.2: U38.18@126.862,29.616 126.867,29.622 126.867,31.617 v1(126.873,31.623) ; v1(138.217,49.883) 140.73,49.883 U37.117@140.757,49.856
  Bottom Layer w0.2: v1(126.873,31.623) 126.873,42.773 133.984,49.883 v1(138.217,49.883)
ADC2_D4: U37.118 U38.19 | length 31.3
  Top Layer w0.2: U38.19@126.212,29.616 126.225,29.629 126.225,33.007 v1(126.238,33.02) ; v1(136.6,50.6) 136.681,50.6 136.925,50.356 U37.118@140.832,50.356
  Bottom Layer w0.2: v1(126.238,33.02) 126.238,43.038 133.8,50.6 v1(136.6,50.6)
ADC2_D5: U37.119 U38.20 | length 32.5
  Top Layer w0.2: v1(125.519,31.58) 125.519,29.659 U38.20@125.562,29.616 ; v1(138.1,51.2) 138.181,51.2 138.525,50.856 U37.119@140.757,50.856
  Bottom Layer w0.2: v1(125.519,31.58) 125.519,43.119 133.9,51.5 137.8,51.5 v1(138.1,51.2)
ADC2_D6: U37.122 U38.21 | length 33.8
  Top Layer w0.2: v1(124.841,33.02) 124.876,32.985 124.876,29.652 U38.21@124.912,29.616 ; v1(138.1,52.8) 138.544,52.356 U37.122@140.832,52.356
  Bottom Layer w0.2: v1(124.841,33.02) 124.841,43.241 133.9,52.3 137.6,52.3 v1(138.1,52.8)
ADC2_D7: U37.123 U38.22 | length 34.9
  Top Layer w0.2: U38.22@124.262,29.616 124.297,29.652 v1(124.297,31.587) ; v1(138.3,53.6) 139.044,52.856 U37.123@140.832,52.856
  Bottom Layer w0.2: v1(124.297,31.587) 124.297,43.497 134.4,53.6 v1(138.3,53.6)
ADC2_D8: U37.77 U38.25 | length 17.6
  Top Layer w0.2: v1(121.793,32.004) 121.83,32.004 122.306,31.528 122.306,29.622 U38.25@122.312,29.616 ; v1(122.047,42.291) 122.936,42.291 123.382,42.737 U37.77@123.382,43.981
  Bottom Layer w0.2: v1(121.793,32.004) 122.809,33.02 122.809,37.338 123.698,38.227 123.698,41.402 122.809,42.291 v1(122.047,42.291)
ADC2_D9: U37.78 U38.26 | length 17.9
  Top Layer w0.2: v1(120.9,32.9) 120.9,31.754 121.664,30.99 121.664,29.618 U38.26@121.662,29.616 ; v1(122.047,41.402) 123.063,41.402 123.882,42.221 U37.78@123.882,43.981
  Bottom Layer w0.2: v1(120.9,32.9) 120.981,32.9 121.131,33.05 121.134,33.05 121.984,33.9 121.984,37.484 123.19,38.69 123.19,40.894 122.682,41.402 v1(122.047,41.402)
ADC2_D10: U37.79 U38.27 | length 17.9
  Top Layer w0.2: v1(120.269,31.369) 121.022,30.616 121.022,29.626 U38.27@121.012,29.616 ; v1(122.047,40.513) 123.317,40.513 124.382,41.578 U37.79@124.382,43.981
  Bottom Layer w0.2: v1(120.269,31.369) 120.269,36.669 122.682,39.082 122.682,40.381 122.55,40.513 v1(122.047,40.513)
ADC2_D11: U37.80 U38.28 | length 18.5
  Top Layer w0.2: v1(119.38,29.718) 119.461,29.718 119.563,29.616 U38.28@120.362,29.616 ; v1(122.047,39.624) 123.571,39.624 124.882,40.935 U37.80@124.882,43.981
  Bottom Layer w0.2: v1(119.38,29.718) 119.38,36.957 v1(122.047,39.624)
ADC2_D13: U37.82
ADC2_D14: U37.85
ADC2_D15: U37.86
ADC2_INPUT: U38.9 U48.6 U48.7 | length 45
  Top Layer w0.35: U48.7@90.735,36.195 U48.6@90.735,34.925 92.202,34.925 94.869,32.258 98.425,32.258 108.331,22.352 116.586,22.352 120.523,26.289 125.222,26.289 125.562,25.949 U38.9@125.562,23.978